# KiCad board processor.80C188.kicad_pcb (continued)
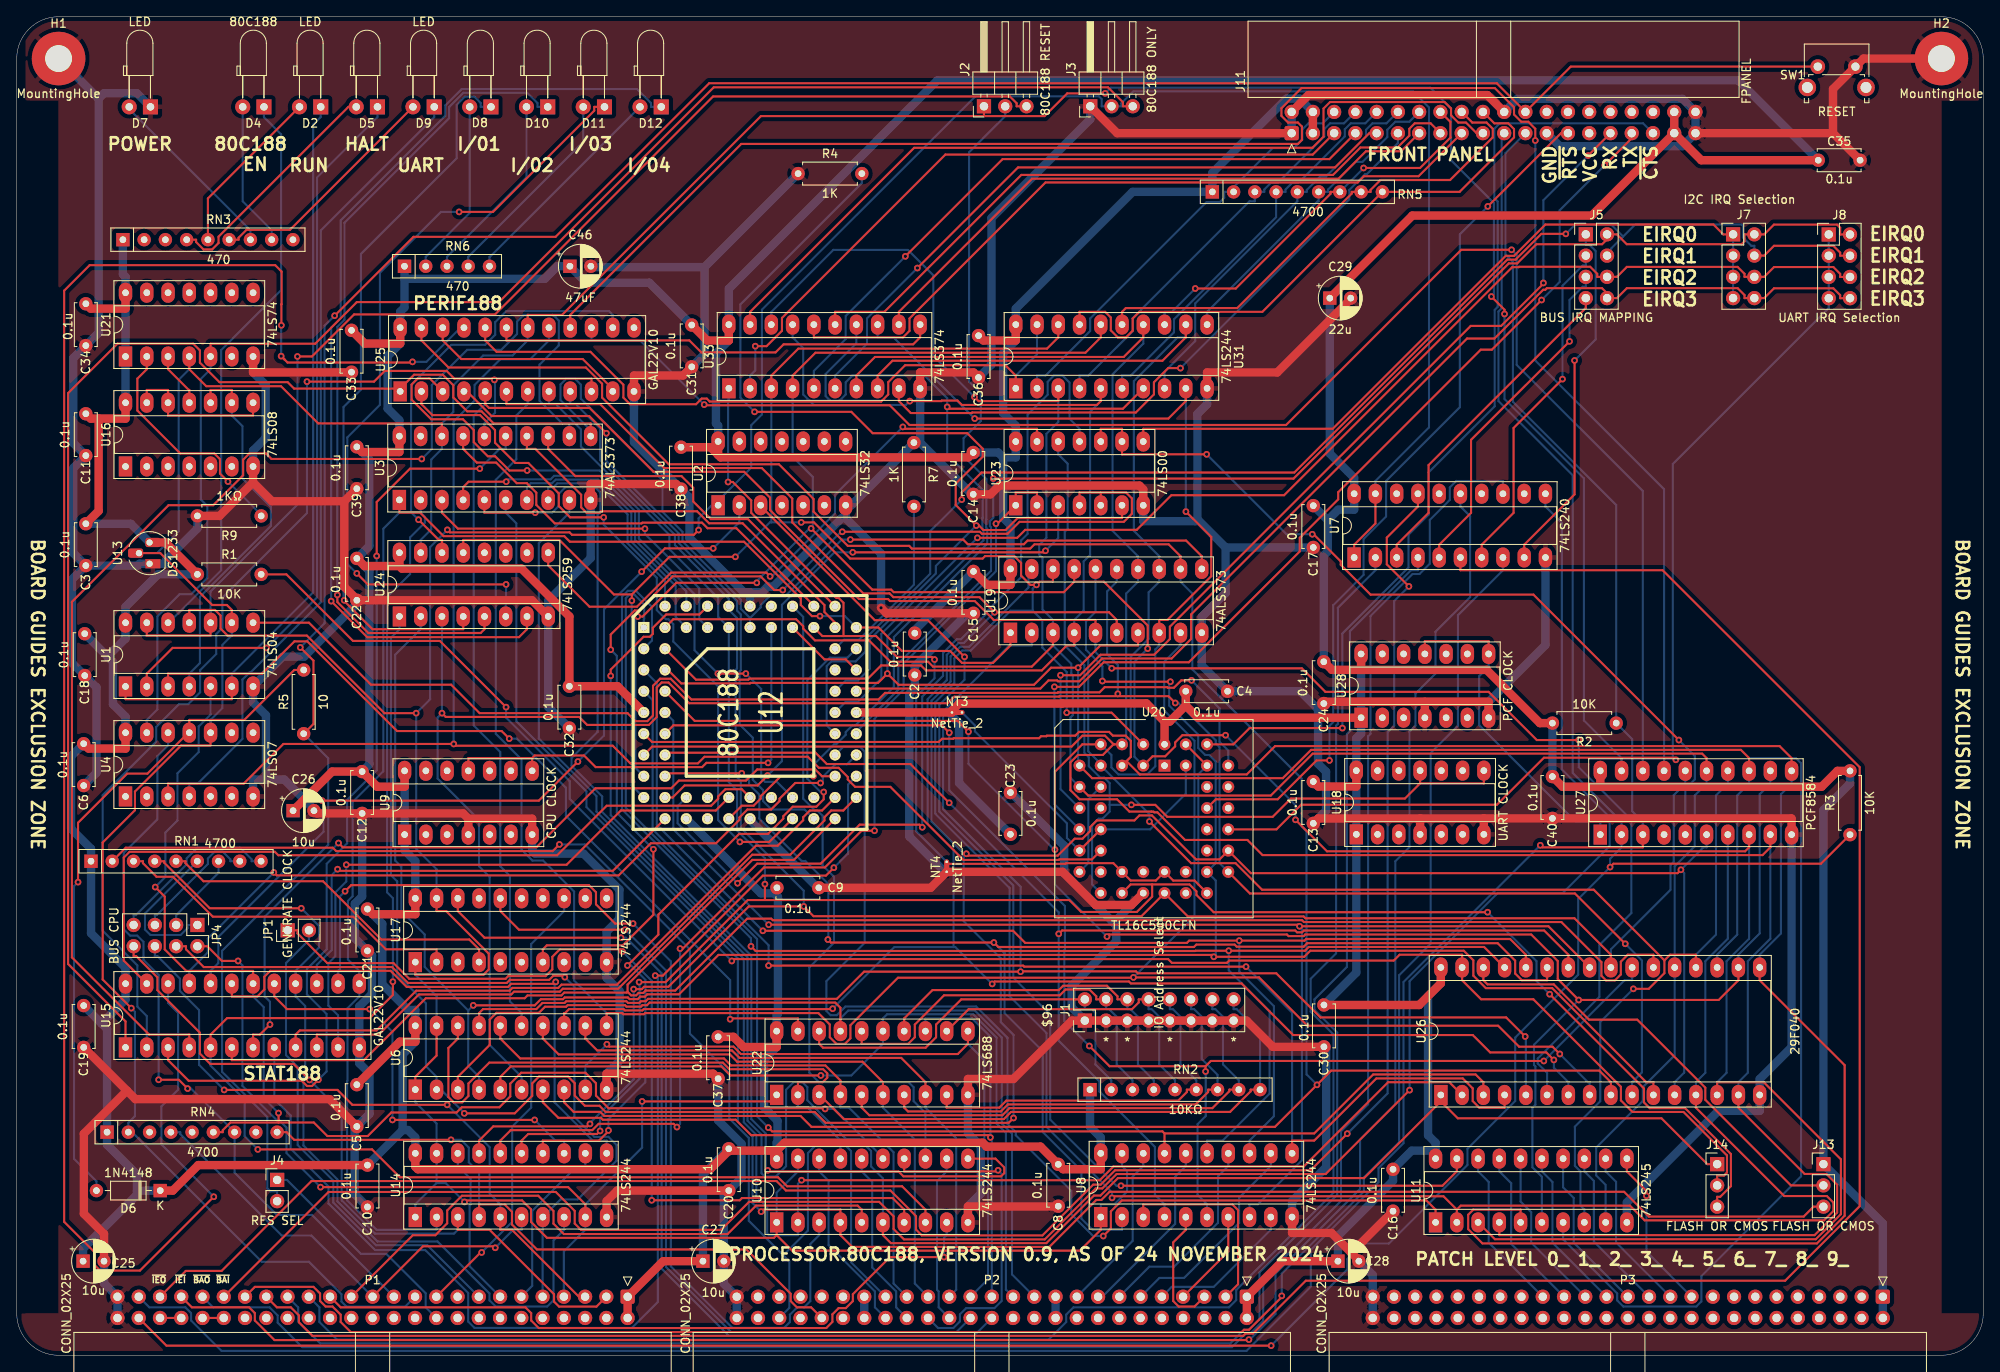
[diagram p0: board, top side]
## Routing (per net, layer and track width the routed paths; a pad name or vN(x,y) marks a point on that pad's centre or on a via; arc(x,y) is an arc through that point) (continued)
CPU-A20: length 42.2
  Top w0.25: RN1.5 20.16,59.06 20.16,58.82 22.32,56.66 36.61,56.66 43.57,49.7 54.08,49.7 55.25,48.53 U17.4
CPU-A21: length 42.2
  Top w0.25: U17.2 50.17,48.53 44.11,48.53 40.21,52.43 23.44,52.43 18.66,57.2 16.7,57.2 15.08,58.82 15.08,59.06 RN1.3
CPU-D0: length 424.3
  Top w0.25: U31.18 124.47,121.67 123.11,120.32 93.39,120.32 90.17,117.11 U33.3 ; U11.2 172.09,17.41 ; 172.09,17.41 172.56,17.88 192.78,17.88 194.53,16.13 215.97,16.13 217.09,17.24 217.09,18.25 216.3,19.03 211.21,19.03 200.66,29.59 U26.13 ; 172.09,17.41 170.49,19.01 131.08,19.01 v1(130.89,18.81) ; v1(93.75,99.56) 95.26,99.56 99.59,95.24 115.42,95.24 115.71,95.53 119.21,95.53 120.02,94.71 120.02,93.19 121.12,92.09 v1(121.86,92.09) 122.23,92.46 123.83,92.46 U19.18 ; U24.13 53.36,97.46 64.85,97.46 71.36,90.94 73.51,90.94 ; 73.51,90.94 v1(73.51,90.2) ; 73.51,90.94 78,95.44 v1(85.88,95.44) ; U20.2 130.83,76.81 v1(125.47,76.81)
  Bottom w0.25: v1(121.86,92.09) 121.41,91.64 121.41,89 ; 90.17,99.56 90,99.56 v1(85.88,95.44) ; 90.17,99.56 93.75,99.56 v1(93.75,99.56) ; 90.17,99.56 U33.3 ; U27.7 204.47,49.79 201.79,47.1 201.79,33.77 200.66,32.64 U26.13 ; 121.41,89 122.56,87.85 122.56,84.59 125.47,81.68 v1(125.47,76.81) ; 121.41,89 118.77,89 114.01,84.24 112.98,84.24 112.04,83.3 112.04,80.34 109.76,78.06 109.76,64.74 118.64,55.86 118.64,42.92 123.05,38.52 123.05,27.3 130.89,19.46 v1(130.89,18.81) ; v1(73.51,90.2) 73.48,90.18 73.48,68.12 U12.17
CPU-D1: length 357.3
  Top w0.25: U33.4 92.72,117.11 95.45,119.84 127.71,119.84 129.54,121.67 U31.16 ; U11.3 176.64,13.87 214.99,13.87 217.99,16.87 217.99,23.42 208.77,32.64 203.2,32.64 U26.14 ; 126.37,92.46 129.92,92.46 135.15,87.24 v1(135.15,84.47) ; 126.37,92.46 125.12,91.22 104.8,91.22 104.49,91.52 102.24,91.52 v1(94.93,98.83) ; 126.37,92.46 U19.17 ; v1(88.43,92.33) 78.82,92.33 74.78,88.3 v1(74.21,88.3) ; U20.3 135.73,71.6 137.24,71.6 138.43,72.79 138.43,73.25 139.29,74.12 v1(144.45,74.12) ; v1(152.81,64) 156.58,60.24 206.54,60.24 207.01,60.71 U27.8
  Bottom w0.25: U33.4 92.72,107.4 95.13,104.99 95.13,99.03 v1(94.93,98.83) 94.73,98.83 88.43,92.54 v1(88.43,92.33) ; U26.14 203.2,32.64 204.33,33.77 204.33,47.1 207.01,49.79 U27.8 ; U20.3 133.57,71.54 133.57,82.89 v1(135.15,84.47) ; v1(152.81,64) 152.81,65.76 v1(144.45,74.12) ; v1(74.21,88.3) 73.93,88.03 73.93,70.21 U12.15
CPU-D2: length 345.8
  Top w0.25: U12.13 75.93,72.76 126.05,72.76 127.35,74.06 130.04,74.06 131.07,73.04 ; U26.15 205.74,29.59 213.66,21.67 216.26,21.67 217.54,20.39 217.54,17.06 214.84,14.36 177.17,14.36 U11.4 ; U31.14 134.62,121.67 132.28,119.33 102.56,119.33 100.34,117.11 U33.7 ; 131.07,73.04 131.15,73.04 131.16,73.03 U20.4 ; 131.07,73.04 129.78,71.75 126.8,71.75 125.92,70.87 125.92,67.55 127.01,66.46 131.49,66.46 132.96,64.99 135.58,64.99 135.59,64.98 135.84,64.98 135.92,64.9 136.31,64.9 139.61,61.59 147.07,61.59 148.87,59.79 208.63,59.79 209.56,60.71 U27.9
  Bottom w0.25: U31.14 134.62,120.93 130.95,117.25 130.95,98.56 133.99,95.52 U19.14 133.99,92.46 132.58,91.05 132.58,73.52 U20.4 ; U27.9 209.56,49.79 206.87,47.1 206.87,33.77 205.74,32.64 U26.15
CPU-D3: length 363.1
  Top w0.25: U20.5 132.62,71.02 ; 132.62,71.02 133.13,71.54 133.13,73.45 132.52,74.06 130.99,74.06 130.54,74.51 126.94,74.51 126.49,74.06 123.11,74.06 123.04,73.99 122.4,73.99 122.17,73.76 111.97,73.76 111.9,73.69 110.57,73.69 110.19,73.31 75.92,73.31 U12.11 ; 132.62,71.02 134.21,69.43 146.99,69.43 150.37,72.82 210.66,72.82 212.09,71.39 U27.11 ; U31.12 139.71,121.67 136.91,118.88 104.65,118.88 102.88,117.11 U33.8 ; U26.17 208.28,44.83 218.44,34.67 218.44,16.68 215.12,13.37 175.15,13.37 173.45,15.07 173.45,16.8 174.06,17.41 179.71,17.41 U11.5
  Bottom w0.25: U27.11 212.09,68.33 210.82,67.06 210.82,50.43 208.28,47.88 U26.17 ; U31.12 139.71,121.67 138.73,121.67 133.49,116.44 133.49,98.55 136.53,95.52 U19.13 136.53,92.46 135.26,91.19 135.26,85.63 133.12,83.48 133.12,71.52 U20.5
CPU-D4: length 326.9
  Top w0.25: v1(124.07,60.45) 124.07,69.75 127.34,73.03 U20.6 ; U31.9 139.71,114.05 137.62,111.97 v1(114.48,111.97) ; U26.18 205.74,44.83 203.38,42.47 v1(186.66,42.47) 184.15,44.98 184.15,47.12 180.98,50.3 153.97,50.3 153.78,50.1 151.98,50.1 151.79,50.3 130.53,50.3 v1(130.29,50.05) ; U12.8 81.02,75.83 112.44,75.83 v1(113.73,74.54) ; v1(139.71,100.84) 142.74,97.82 142.74,93.12 137.51,87.9 136.53,87.9 U19.8
  Bottom w0.25: v1(130.29,50.05) 124.07,56.27 v1(124.07,60.45) 123.97,60.45 113.73,70.68 v1(113.73,74.54) ; v1(139.71,100.84) 139.71,100.85 U31.9 ; U20.6 130.81,71.75 130.81,70.26 131.65,69.43 135.08,69.43 136.06,70.41 136.06,84.38 136.53,84.84 U19.8 ; U33.13 102.88,121.67 104.77,121.67 v1(114.48,111.97) ; v1(186.66,42.47) 181.31,37.12 181.31,34.69 181.48,34.52 181.48,29.95 181.12,29.58 181.12,22.47 182.25,21.34 U11.6 ; U27.12 209.56,68.33 208.28,67.06 208.28,50.43 205.74,47.88 U26.18
CPU-D5: length 374.5
  Top w0.25: U19.7 133.99,84.84 129.49,84.84 v1(126.84,82.19) 123.6,82.19 121.56,80.14 105.38,80.14 v1(104.04,81.48) 102.93,80.37 87.68,80.37 87.61,80.31 79.42,80.31 77.81,81.91 U12.6 ; v1(111.19,113.36) 111.41,113.14 132.19,113.14 U31.7 ; U27.13 207.01,71.39 206.03,72.37 154.68,72.37 151.3,68.98 128.5,68.98 U20.7
  Bottom w0.25: v1(104.04,81.48) 104.04,85.93 115.52,97.41 115.52,98.6 115.39,98.73 115.39,100.08 115.43,100.11 115.43,103.45 111.19,107.68 v1(111.19,113.36) 111.19,114.4 108.49,117.11 99.86,117.11 99.06,116.31 99.06,114.85 98.26,114.05 97.27,114.05 96.66,114.66 96.66,117.29 100.34,120.97 U33.14 ; U26.19 203.2,47.88 205.6,50.28 205.6,66.92 207.01,68.33 U27.13 207.01,71.27 207.13,71.39 212.6,71.39 213.23,70.76 213.23,21.39 201.32,9.47 201.32,6.43 200.71,5.82 191.99,5.82 191.25,6.57 191.25,7.39 184.79,13.85 U11.7 ; U20.7 126.84,70.65 v1(126.84,82.19)
CPU-D6: length 294.4
  Top w0.25: U12.4 81.17,80.76 87.43,80.76 87.55,80.88 101.72,80.88 103.29,82.46 108.06,82.46 108.65,81.86 122.5,81.86 125.48,84.84 126.37,84.84 U19.4 ; 196.9,47.2 196.9,45.67 195.02,43.8 v1(193.19,43.8) ; 196.9,47.2 197.57,47.88 200.66,47.88 U26.20 ; 196.9,47.2 188.45,55.65 148.82,55.65 145.65,58.82 140.34,58.82 v1(135.36,63.8) ; U31.5 129.54,114.05 129.08,113.59 112.95,113.59 112.42,114.12 110.53,114.12 110.47,114.05 v1(106.71,114.05)
  Bottom w0.25: U27.14 204.47,68.33 203.06,66.92 203.06,50.28 200.66,47.88 U26.20 ; U31.5 129.54,114.05 128.27,112.78 128.27,95.66 127.5,94.89 127.5,89.02 126.37,87.9 U19.4 126.37,84.84 128.04,83.17 128.04,72.19 129.54,70.69 U20.8 135.36,64.67 v1(135.36,63.8) ; U11.8 187.33,17.41 186.86,17.88 186.86,21.98 186.2,22.65 186.2,27.33 189.23,30.36 189.23,39.85 v1(193.19,43.8) ; v1(106.71,114.05) 106.25,113.59 95.24,113.59 93.99,114.85 93.99,120.4 92.72,121.67 U33.17
CPU-D7: length 295.3
  Top w0.25: U19.3 123.83,84.84 121.3,82.31 109.5,82.31 108.91,82.91 104.38,82.91 101.83,85.45 95.39,85.45 93.98,86.86 93.98,87.14 93.14,87.98 78.46,87.98 U12.2 ; U27.15 201.94,71.39 201.41,71.91 154.87,71.91 149.86,66.91 128.04,66.91 127,67.94 ; U31.3 124.47,114.05 114.94,114.05 v1(114.45,114.54)
  Bottom w0.25: v1(114.45,114.54) 109.53,119.46 109.53,129.09 106.49,132.13 97.58,132.13 90.17,124.73 U33.18 ; 127,67.94 125.92,69.03 125.92,76.23 126.2,76.51 126.2,81.29 126.02,81.47 126.02,82.66 123.83,84.84 U19.3 123.83,87.9 122.58,89.14 122.58,95.32 122.18,95.71 122.18,96.86 123.05,97.72 123.05,110.15 124.47,111.56 U31.3 ; U11.9 189.87,20.37 188.74,21.5 188.74,24.82 194.31,30.39 194.31,32.04 198.12,35.85 U26.21 198.12,58.44 200.52,60.84 200.52,66.92 201.94,68.33 U27.15
CPU-DREQ0: length 56.5
  Top w0.25: v1(38.34,58.1) 38.54,57.91 71.24,57.91 U12.18
  Bottom w0.25: v1(38.34,58.1) 37.63,57.39 37.63,48.44 35.86,46.66 U15.15
CPU-INT0: length 144
  Top w0.25: 190.63,126.36 191.22,126.36 192.41,127.56 205.64,127.56 206.47,126.73 206.47,126.36 J7.8 208.82,126.36 210,127.54 217.08,127.54 217.9,126.72 217.9,126.36 219.07,126.36 ; 190.63,126.36 189.44,127.56 182.85,127.56 182.66,127.36 182.41,127.36 176.59,121.53 173.31,121.53 140.34,88.56 140.34,85.63 138,83.29 129.7,83.29 126.98,80.56 124.43,80.56 124.33,80.67 123.29,80.67 122.32,79.69 100.65,79.69 U12.45 ; 190.63,126.36 J5.8
CPU-INT1: length 149.6
  Top w0.25: v1(114.8,97.71) 119.55,97.71 120.51,98.66 133.84,98.66 137.98,102.81 151.45,102.81 178.71,130.07 179.49,130.07 179.53,130.11 188.03,130.11 188.87,129.27 188.87,128.91 J5.6 191.22,128.91 192.41,130.1 205.64,130.1 206.47,129.27 206.47,128.91 J7.6 208.82,128.91 210,130.08 217.08,130.08 217.9,129.26 217.9,128.89 J8.6
  Bottom w0.25: U12.44 99.06,78.1 100.52,78.1 103.32,80.9 103.32,86.23 v1(114.8,97.71)
CPU-INT2: length 165.8
  Top w0.25: 219.07,131.44 217.9,131.44 217.9,131.8 217.08,132.62 210,132.62 208.82,131.44 J7.4 ; v1(112.93,102.28) 112.93,103.15 115.29,105.52 152.67,105.52 178.12,130.97 179.11,130.97 182.19,134.04 v1(185.12,134.04)
  Bottom w0.25: v1(185.12,134.04) 186.23,135.16 190.53,135.16 191.96,133.73 ; U12.42 96.79,75.3 96.79,82.37 97.36,82.94 100.25,82.94 101.41,84.1 101.41,85.67 109.16,93.41 109.16,98.51 v1(112.93,102.28) ; J7.4 207.65,132.62 207.28,132.62 206.28,133.62 206.28,135.02 206.14,135.16 193.4,135.16 191.96,133.73 ; 191.96,133.73 190.52,132.28 190.52,131.44 J5.4
CPU-INT3: length 155.3
  Top w0.25: J8.2 217.9,133.97 217.9,134.78 217.53,135.15 209.99,135.15 208.82,133.99 J7.2 206.47,133.99 206.47,133.15 206.13,132.81 192.39,132.81 191.22,133.99 190.63,133.99 ; 190.63,133.99 J5.2 ; 190.63,133.99 189.45,132.81 181.59,132.81 179.3,130.52 178.3,130.52 152.58,104.79 v1(116.7,104.79)
  Bottom w0.25: U12.41 100.33,74.55 105.34,79.56 105.34,82.68 116.42,93.76 116.42,98.98 116.29,99.11 116.29,99.71 116.7,100.11 v1(116.7,104.79)
CPU-NMI: length 123.2
  Top w0.25: v1(88.18,112.77) 99.73,112.77 102.29,110.22 113.58,110.22 115.44,108.36 115.44,107.42 112.2,104.18 112.2,101.65 v1(114.67,99.18) 114.99,99.18 115.52,98.64 118.17,98.64 119.6,100.07 132.08,100.07 U23.6
  Bottom w0.25: U12.46 99.06,80.65 100.52,80.65 101.94,82.06 101.94,85.56 109.83,93.45 109.83,94.34 v1(114.67,99.18) ; R4.2 100.99,140.12 86.48,125.61 86.48,114.47 v1(88.18,112.77)
CPU_S0: length 44.6
  Top w0.25: 63.5,109.86 63.5,108.34 66.75,105.09 79.44,105.09 80.84,103.69 80.84,102.06 82.95,99.95 87.38,99.95 U12.52
CPU_S1: length 49.1
  Top w0.25: U12.53 97.79,87.57 96.52,88.84 96.52,89.68 86.74,99.45 82.73,99.45 81.3,100.89 69.84,100.89 69.64,100.69 68.11,100.69 67.45,101.35 67.45,102.86 61.97,108.34 60.97,108.34 60.97,109.86
CPU_S2: length 52.2
  Top w0.25: U12.54 95.25,89.61 86,98.86 82.55,98.86 81.89,99.52 74.77,99.52 74.68,99.44 64.3,99.44 62.09,101.64 62.09,103.11 60.96,104.24 59.75,104.24 57.29,106.7 54.98,106.7 53.34,108.34 53.34,109.86
D0: length 19.7
  Bottom w0.25: P3.33 175.9,13.46 175.9,20.71 174.63,21.98 U11.18
D1: length 19.7
  Bottom w0.25: U11.17 177.17,21.98 178.58,20.57 178.58,13.32 P3.31
D2: length 19.7
  Bottom w0.25: U11.16 179.71,18.37 180.98,17.1 180.98,13.46 P3.29
D3: length 19.7
  Bottom w0.25: U11.15 182.25,21.98 183.52,20.71 183.52,13.46 P3.27
D4: length 19.7
  Bottom w0.25: P3.25 186.06,13.46 186.06,18.81 184.79,20.08 U11.14
D5: length 19.7
  Bottom w0.25: U11.13 187.33,21.98 188.47,20.84 188.47,13.59 P3.23
D6: length 19.7
  Bottom w0.25: U11.12 189.87,21.98 191.12,20.73 191.12,13.48 P3.21
D7: length 19.7
  Top w0.25: v1(194.75,19.06) 194.75,19.64 192.41,21.98 U11.11
  Bottom w0.25: P3.19 194.75,12.39 v1(194.75,19.06)
DT~{R}_TS: length 134.7
  Top w0.25: U11.1 169.55,17.41 168.46,18.5 132.05,18.5 130.75,17.2 130.75,15.16 v1(129.84,14.25)
  Bottom w0.25: U12.40 98.8,72.76 100.73,72.76 101.33,72.16 101.33,49.3 96.76,44.73 96.76,41.15 97.26,40.65 98,40.65 99.04,41.69 114.65,41.69 118.39,37.95 118.39,27.66 119.39,26.67 119.39,26.29 126.02,19.66 126.02,16.86 128.63,14.25 v1(129.84,14.25)
FP-LATCH-WR: length 53.8
  Top w0.25: 107.96,123.2 107.96,121.67 107.12,120.84 91.64,120.84 90.68,119.88 81.8,119.88 80.37,121.31 58.52,121.31 U25.19
HLDA: length 186
  Top w0.25: U3.1 45.72,100.72 48.2,100.72 51.01,97.91 65.43,97.91 66.09,97.25 86.91,97.25 93.7,90.46 93.7,89.69 95.03,88.35 v1(95.99,88.35) ; U12.51 102.97,87 105.78,84.19 111.54,84.19 112.96,82.76 116.67,82.76 118.75,84.84 U19.1
  Bottom w0.25: v1(95.99,88.35) 98.97,88.35 U12.51 ; U14.2 50.17,14.99 42.99,14.99 39.47,18.51 39.47,32.77 39.53,32.82 39.53,41.48 40.94,42.89 U15.13 40.94,45.95 39.58,47.3 39.58,54.32 40.13,54.87 40.13,66.14 43.81,69.81 43.81,98.8 45.72,100.72 U3.1
HOLD: length 22
  Bottom w0.25: R7.2 107.21,92.11 100.64,85.53 98.86,85.53 U12.50
I2C_SCL: length 316.1
  Top w0.25: v1(182.07,60.97) 182.32,60.71 194.31,60.71 U27.3
  Bottom w0.25: U27.3 194.31,63.77 193.04,65.04 193.04,73.66 R2.1 191.13,75.56 191.13,101.64 178.79,113.98 178.79,130.7 177.9,131.59 177.9,143.69 J11.23 ; P1.47 15.85,5.73 20.15,5.73 20.84,5.04 20.84,4.16 24.47,0.52 146.96,0.52 154.64,8.2 154.64,12.59 162.73,20.69 162.73,22.37 165.72,25.35 165.72,44.62 v1(182.07,60.97)
I2C_SDA: length 337.5
  Top w0.25: P1.48 17.89,1.15 v1(149.9,1.15) ; v1(190.4,58.35) 190.81,58.76 215.6,58.76 R3.1
  Bottom w0.25: J11.21 177.45,145.78 177.45,125.16 177.07,124.77 177.07,114.06 185.94,105.19 185.94,69.61 191.78,63.77 U27.2 191.78,60.71 190.4,59.34 v1(190.4,58.35) 186.59,54.54 186.59,45.49 179.07,37.97 179.07,30.39 173.36,24.68 173.36,22.74 163.98,13.36 160.86,13.36 159.01,11.52 159.01,10.25 v1(149.9,1.15)
ONE: length 41.2
  Top w0.25: 127,60.32 U20.14
  Bottom w0.25: NT3.2 114.51,75.29 114.51,74.57 125.5,63.58 125.5,61.83 127,60.32 ; U20.14 135.44,62.87 139.7,67.12 U20.43
RX: length 116.1
  Top w0.25: v1(124.73,81.29) 127.07,81.29 129.52,83.74 135.92,83.74 137.8,85.62 137.8,87.09 173.75,123.04 177.38,123.04 182.43,128.09 v1(182.43,128.18) ; v1(187.78,143.41) J11.31
  Bottom w0.25: v1(187.78,143.41) 182.43,138.07 v1(182.43,128.18) ; U20.11 124.73,67.67 v1(124.73,81.29)
S0: length 158.3
  Top w0.25: v1(48.4,107.14) 30.45,107.14 29.79,107.8 27.8,107.8 27.06,107.05 27.06,105.19 23.48,101.61 18.14,101.61 6.59,90.06 6.59,47.56 15.83,38.33 20.62,38.33 U15.4
  Bottom w0.25: v1(48.4,107.14) 49.6,108.34 49.6,115.97 53.82,120.18 57.89,120.18 59.79,122.08 59.79,123.57 60.58,124.36 64.09,124.36 64.77,123.68 64.77,120.72 62.47,118.41 62.47,114.11 65.19,111.39 66.05,111.39 66.05,109.86
S1: length 114.5
  Top w0.25: v1(36.04,32.93) 35.29,32.19 34.68,32.19 34.06,32.81 20.54,32.81 18.08,35.27 U15.3 ; v1(43.02,95.54) 43.02,102 46.99,105.98 v1(55.33,105.98)
  Bottom w0.25: v1(36.04,32.93) 37.02,33.92 37.02,40.79 34.67,43.14 34.67,46.17 37.04,48.54 37.04,58.75 39.48,61.19 39.48,66.39 43.02,69.92 v1(43.02,95.54) ; v1(55.33,105.98) 57.69,108.34 58.42,108.34 58.42,109.86
S2: length 136.4
  Top w0.25: U25.10 68.68,116.74 57.22,116.74 v1(57.08,116.59) 56.93,116.74 52.29,116.74 51.37,117.66 43.97,117.66 42.69,116.38 v1(34.68,116.38)
  Bottom w0.25: 55.89,109.86 55.89,111.39 57.16,112.66 57.16,116.51 v1(57.08,116.59) ; U15.2 15.54,40.55 14.41,41.68 14.41,46.6 10.26,50.75 10.26,66.94 16.67,73.35 16.67,75.1 19.39,77.83 20.5,77.83 21.92,79.25 21.92,81.9 23.83,83.82 23.83,86.2 24.57,86.94 24.57,90.56 34.68,100.67 v1(34.68,116.38)
SRDY: length 88.5
  Top w0.25: U14.14 62.87,25.67 69.59,25.67 70.71,26.79 v1(70.71,26.88) ; v1(96.43,67.33) 96.43,66.45 95.55,65.57 92.73,65.57 91.61,64.44 91.61,64.15 89.78,62.32 86.32,62.32 76.67,52.67 76.67,50.29 v1(72.98,46.59)
  Bottom w0.25: v1(70.71,26.88) 70.71,28.23 75.12,32.64 75.12,44.88 73.41,46.59 v1(72.98,46.59) ; U12.49 99.27,83.39 97.17,83.39 94.47,80.7 94.47,68.92 96.06,67.33 v1(96.43,67.33)
TMR1_IN: length 109.3
  Top w0.25: v1(108.21,63.11) 107.89,63.43 100.74,63.43 96.07,58.76 88.48,58.76 v1(86.14,56.42)
  Bottom w0.25: v1(108.21,63.11) 108.21,78.73 110.69,81.21 110.69,83.94 112.34,85.59 112.84,85.59 115.95,88.7 115.95,88.94 120.02,93.01 120.02,97.4 120.79,98.18 120.79,112.42 123.19,114.82 123.19,116.36 123.94,117.11 124.96,117.11 125.81,116.27 125.81,111.94 127,110.75 U23.11 ; U12.21 78.97,65.64 78.97,63.59 v1(86.14,56.42)
TX: length 121.5
  Top w0.25: v1(124,79.9) 126.95,79.9 129.89,82.84 140.07,82.84 153.32,96.09 153.32,97.72 157.91,102.31 157.91,103.16 174.95,120.2 176.28,120.2 v1(182.22,126.14) ; v1(189.76,142.25) 192.99,145.47 J11.33
  Bottom w0.25: U20.13 124,65.87 v1(124,79.9) ; v1(182.22,126.14) 184.38,128.31 184.38,136.87 v1(189.76,142.25)
UART-CLK: length 108.7
  Top w0.25: 167.7,68.36 175.32,68.36 U18.8 ; 167.7,68.36 165.89,66.55 152.27,66.55 150.08,64.36 137.49,64.36 136.05,65.79 v1(133.2,65.79) ; 167.7,68.36 U18.11
  Bottom w0.25: 130.61,65.79 130.61,64.99 129.75,64.13 129.28,64.13 128.5,63.35 128.5,56.29 U20.18 ; 130.61,65.79 v1(133.2,65.79) ; 130.61,65.79 130.61,68.39 129.95,69.05 129.47,69.05 128.11,70.41 128.11,71.49 127.58,72.02 127.58,82.5 125.24,84.85 125.24,98.44 125.59,98.79 125.59,106.57 124.46,107.69 U23.12
UART_INT: length 127.8
  Top w0.25: U20.33 150.54,62.87 153.48,65.81 176.88,65.81 182.5,71.43 198.02,71.43 v1(198.27,71.18)
  Bottom w0.25: J8.1 J8.5 216.53,125.18 197.9,106.55 197.9,71.55 v1(198.27,71.18)
ZERO: length 131.7
  Top w0.25: NT4.2 111.37,58.74 125.33,58.74 125.41,58.82 131.04,58.82 133.12,56.75 136.12,56.75 137.16,57.78 138.21,56.74 140.75,56.74 U20.28 ; 98.8,85.97 102.69,85.97 105.19,83.47 109.36,83.47 v1(109.67,83.16) ; 98.8,85.97 96.27,85.97 U12.55 ; 98.8,85.97 98.8,89.94 98.22,90.52 97.96,90.52 87.77,100.71 87.77,102.19 85.57,104.39 v1(85,104.39) ; U20.42 U20.41
  Bottom w0.25: NT4.2 107.48,62.63 107.48,78.73 109.67,80.92 v1(109.67,83.16) ; U20.41 141.2,69.45 141.2,56.28 U20.28 ; U33.1 85.09,114.05 85,113.96 v1(85,104.39)
~{188ACTIVE}: length 175.2
  Top w0.25: J3.3 132.19,149.3 132.19,149.78 130.41,151.56 83.3,151.56 57.62,125.89 40.64,125.89 35.66,120.92 23.16,120.92 U21.5
  Bottom w0.25: U21.5 23.16,117.86 22,116.7 22,102.29 22.77,101.52 22.77,92.89 20.85,90.97 19.46,90.97 16.81,88.32 16.81,77.22 15.54,75.95 U4.13
~{188EN}: length 456.6
  Top w0.25: v1(47.73,76.75) 43.95,76.75 34.67,86.02 25.2,86.02 24.36,86.86 24.36,88.42 23.69,89.09 20.62,89.09 U1.11 ; U10.1 90.81,14.36 ; 90.81,14.36 92.67,12.5 127.05,12.5 129.54,14.99 U8.1 ; 90.81,14.36 90.49,14.04 63.36,14.04 61.46,15.94 61.46,17.44 60.4,18.5 53.68,18.5 v1(53.51,18.33) ; U6.19 50.17,35.83 47.63,33.29 U6.1 ; U7.19 162.36,99.43 159.82,96.89 U7.1 ; U17.1 47.63,45.47 55.77,45.47 56.41,46.12 56.41,48 51.32,53.09 50.17,53.09 U17.19 ; v1(51.46,98.67) 51.76,98.36 66.06,98.36 66.35,98.07 80.91,98.07 v1(81.48,98.64)
  Bottom w0.25: v1(81.48,98.64) 81.48,100.04 83.81,102.37 ; U14.1 47.63,18.05 50.17,20.59 ; U7.19 162.36,104.51 168.77,110.91 168.77,149.15 166.84,151.07 133.41,151.07 132,149.66 132,149.3 J3.2 129.65,149.3 129.65,150.16 129.33,150.49 114.56,150.49 89.05,124.98 89.05,112.45 87.77,111.17 87.77,106.09 84.05,102.37 83.81,102.37 ; U8.19 132.08,22.61 132.68,22.01 132.68,19.56 131.17,18.05 129.54,18.05 U8.1 ; U17.1 47.63,45.47 50.17,42.93 U6.19 ; U10.19 93.35,21.98 90.81,19.44 U10.1 ; 83.81,102.37 U2.1 ; U6.1 47.63,30.23 50.17,27.69 U14.19 50.17,20.59 ; v1(53.51,18.33) 51.25,20.59 50.17,20.59 ; U17.19 50.17,58.1 47.73,60.54 v1(47.73,76.75) 49.4,78.42 49.4,96.61 v1(51.46,98.67)
~{BDREQ0}: length 123.1
  Top w0.25: v1(73.65,51.6) 71.52,51.6 69.22,53.9 69.22,55.35 68.37,56.2 39.97,56.2 v1(39.24,55.47)
  Bottom w0.25: U15.14 38.4,45.95 38.63,46.18 38.63,54.86 v1(39.24,55.47) ; v1(73.65,51.6) 78.17,47.09 78.17,10.63 85.51,3.28 91.7,3.28 92.39,3.97 92.39,4.85 93.27,5.73 94.09,5.73 94.84,6.47 94.84,13.31 95.89,14.36 U10.3
~{BDREQ1}: length 125.8
  Top w0.25: v1(102.5,62.7) 100.96,62.7 96.58,58.31 89.3,58.31 79.6,48.61 v1(79.27,48.61) ; U14.16 57.79,25.67 59.04,26.91 68.78,26.91 69.54,27.67 78.5,27.67 v1(78.89,27.28) ; U23.2 121.92,103.13 119.38,103.13 U23.1 117.19,99.41 v1(117.02,99.41)
  Bottom w0.25: v1(79.27,48.61) 79.27,27.65 v1(78.89,27.28) ; v1(102.5,62.7) 102.5,76.09 105.98,79.56 105.98,82.68 117.02,93.72 v1(117.02,99.41)
~{BUSACK}: length 19.3
  Bottom w0.25: P1.13 54.12,10.64 54.12,17.92 54.23,18.03 54.23,21.09 52.71,22.61 U14.18
~{BUSRQ}: length 87.6
  Top w0.25: v1(20.42,31.88) 19.37,32.93 v1(16.95,32.93)
  Bottom w0.25: v1(20.42,31.88) 20.83,31.88 RN4.7 26.03,21.82 31.09,16.77 35.29,16.77 P1.23 ; v1(16.95,32.93) 16.95,45.45 15.15,47.26 15.15,49.42 14.4,50.16 13.55,50.16 12.79,50.92 12.79,60.05 16.81,64.07 16.81,71.62 18.08,72.89 U4.12
~{CPU-HALT}: length 156.2
  Top w0.25: 31.29,27.82 v1(31.29,28.95) ; 31.29,27.82 25.54,27.82 24.62,26.9 24.62,26.67 RN4.6 ; 31.29,27.82 35.5,27.82 37.12,26.2 41.95,26.2 44.76,29.02 52.56,29.02 53.19,29.64 57.67,29.64 58.98,30.95 58.98,32.47 60.28,33.77 67.96,33.77 69.22,32.51 69.22,31.04 70.73,29.53 96.52,29.53 v1(96.6,29.45) ; U15.18 28.24,45.95 20.25,45.95 17.69,48.51 17.69,54.83 v1(16.55,55.97)
  Bottom w0.25: U1.5 23.16,76.58 21.75,75.17 21.75,72.1 19.21,69.56 19.21,63.93 17.77,62.49 17.77,57.18 v1(16.55,55.97) ; U10.15 103.51,23.64 97.7,29.45 v1(96.6,29.45) ; v1(31.29,28.95) 29.51,30.73 29.51,41.62 28.24,42.89 U15.18
~{CPU-IORQ}: length 67.6
  Top w0.25: U15.19 25.7,42.89 28.77,42.89 29.58,43.71 29.58,45.24 30.3,45.95 44.67,45.95 46.6,44.03 58.71,44.03 59.09,44.4 64.18,44.4 v1(64.41,44.64)
  Bottom w0.25: U14.11 70.49,25.67 70.22,25.67 70.2,25.64 68.85,25.64 64.28,30.22 64.28,44.5 v1(64.41,44.64)
~{CPU-M1}: length 101.6
  Top w0.25: v1(34,53.43) 23.07,53.43 17.62,58.88 17.62,59.06 RN1.4
  Bottom w0.25: U14.8 65.41,14.99 64.15,13.73 64.15,6.58 63.39,5.82 57.23,5.82 56.49,6.57 56.49,7.4 50.28,13.6 43.11,13.6 38.33,18.39 38.33,21.01 34.26,25.08 34.26,33.21 34.47,33.43 34.47,41.74 33.32,42.89 U15.16 33.32,45.95 36.12,48.74 36.12,51.32 v1(34,53.43)
~{CPU-MREQ}: length 51
  Top w0.25: U15.17 30.78,42.89 32.3,41.38 v1(42.18,41.38) ; v1(61.89,28.13) v1(44.9,28.13)
  Bottom w0.25: v1(61.89,28.13) 64.36,25.67 65.41,25.67 U14.13 ; v1(44.9,28.13) 44.9,38.66 v1(42.18,41.38)
~{CPU-RD}: length 261.8
  Top w0.25: v1(73.72,43.77) 74.69,43.77 74.97,44.05 77.87,44.05 87.48,53.65 v1(94.04,53.65) 95.21,52.48 134.4,52.48 U20.24 139.95,52.45 153.78,52.45 154,52.24 186.14,52.24 190.5,47.88 U26.24 ; U14.17 55.25,25.67 56.95,27.36 68.21,27.36 v1(68.5,27.65)
  Bottom w0.25: U27.16 199.4,68.33 198.01,66.95 198.01,58.97 197.63,58.59 197.63,55.64 190.5,48.52 U26.24 ; v1(94.04,53.65) 94.04,55.53 86.53,63.05 86.53,68.65 85.91,69.26 85.91,81.93 86.08,82.09 86.08,88.11 85.09,89.1 U12.62 85.09,90.41 78.66,96.84 78.66,98.06 69.71,107 69.71,110.78 66.8,113.69 66.14,113.69 U25.9 ; v1(73.72,43.77) 73.72,32.98 68.5,27.76 v1(68.5,27.65)
~{CPU-RFSH}: length 116.9
  Top w0.25: U12.64 81.56,88.55 77.61,88.55 76.01,86.96 76.01,86.24 75.66,85.88 74.9,85.88 70.98,81.96 v1(70.98,81.21) ; v1(89.73,22.1) 89.86,21.97 105.37,21.97 105.96,21.39 117.62,21.39 118,21.77 118,22.46 116.96,23.5 U10.11
  Bottom w0.25: v1(89.73,22.1) 89.51,22.33 89.51,26.5 87.78,28.23 87.78,47.75 70.98,64.55 v1(70.98,81.21)
~{CPU-WR}: length 267.7
  Top w0.25: J14.3 203.2,18.94 203.57,18.94 204.84,20.21 204.84,24.06 199.36,29.54 195.14,29.54 194.45,30.22 194.45,31.89 v1(183.18,43.16) ; 89.41,54.42 v1(89.41,56.32) ; 89.41,54.42 87.36,54.42 77.55,44.6 v1(74.37,44.6) ; 89.41,54.42 125.78,54.42 127.2,52.99 133.85,52.99 135.68,54.82 135.68,56.28 ; U14.15 60.33,25.67 61.11,26.45 69.34,26.45 v1(69.71,26.81) ; U20.20 133.12,56.28 135.68,56.28 ; 135.68,56.28 140.14,56.28 140.97,55.45 140.97,55.03 143.04,52.96 v1(175.77,52.96)
  Bottom w0.25: v1(183.18,43.16) 181.61,44.74 181.61,47.12 v1(175.77,52.96) ; v1(89.41,56.32) 89.41,59.41 86.08,62.74 86.08,67.52 85.09,68.51 U12.63 83.82,88.26 83.82,90.52 77.99,96.35 77.99,98.06 67.42,108.63 67.42,110.68 64.42,113.69 63.6,113.69 U25.8 ; v1(74.37,44.6) 74.45,44.53 74.45,33.07 69.71,28.33 v1(69.71,26.81)
~{CS_I2C_WR}: length 193.1
  Top w0.25: v1(82.15,113.63) 82.24,113.55 104.33,113.55 106.68,111.2 151.68,111.2 172.62,132.14 v1(178.63,132.14)
  Bottom w0.25: U25.15 68.68,121.31 74.48,121.31 v1(82.15,113.63) ; U27.18 194.31,103.32 179.24,118.39 179.24,131.53 v1(178.63,132.14)
~{CS_I2C}: length 220.1
  Top w0.25: v1(181.47,145.2) 181.47,146.61 180.63,147.45 179.79,147.45 178.93,148.31 178.93,149.17 176.63,151.47 153.53,151.47 151.13,149.08 151.13,148.15 151.92,147.35 153.1,147.35 153.58,146.88 153.58,145.27 153.1,144.8 86.58,144.8 66.14,124.36 U25.16
  Bottom w0.25: v1(181.47,145.2) 181.47,118.91 196.85,103.52 U27.17
~{CS_UART}: length 178.6
  Top w0.25: 129.54,60.32 128.49,59.27 124.59,59.27 124.52,59.21 113.13,59.21 104.4,67.94 100.19,67.94 99.31,68.82 99.31,69.13 98.21,70.22 95.85,70.22 94.54,71.54 82.19,71.54 81.4,70.75 73.33,70.75 71.22,72.86 52.43,72.86 v1(52.22,73.07) 31.86,73.07 27.12,68.33 18.08,68.33 U4.3
  Bottom w0.25: v1(52.22,73.07) 52.21,73.08 52.21,111.62 54.71,114.12 54.71,115.99 57.78,119.06 61.35,119.06 63.6,121.31 U25.17
~{CTS}: length 116.2
  Top w0.25: v1(158.41,74.97) 147.33,74.97 145.38,73.03 U20.40
  Bottom w0.25: v1(158.41,74.97) 158.41,86.28 166.32,94.18 166.32,98.09 168.71,100.48 168.71,105.53 176.62,113.44 176.62,124.96 176.97,125.31 176.97,137.92 176.57,138.31 176.57,146.61 177.23,147.26 194.35,147.26 J11.35